# Altium PCB DM2080.PcbDoc (part 1 of 3) (continued)
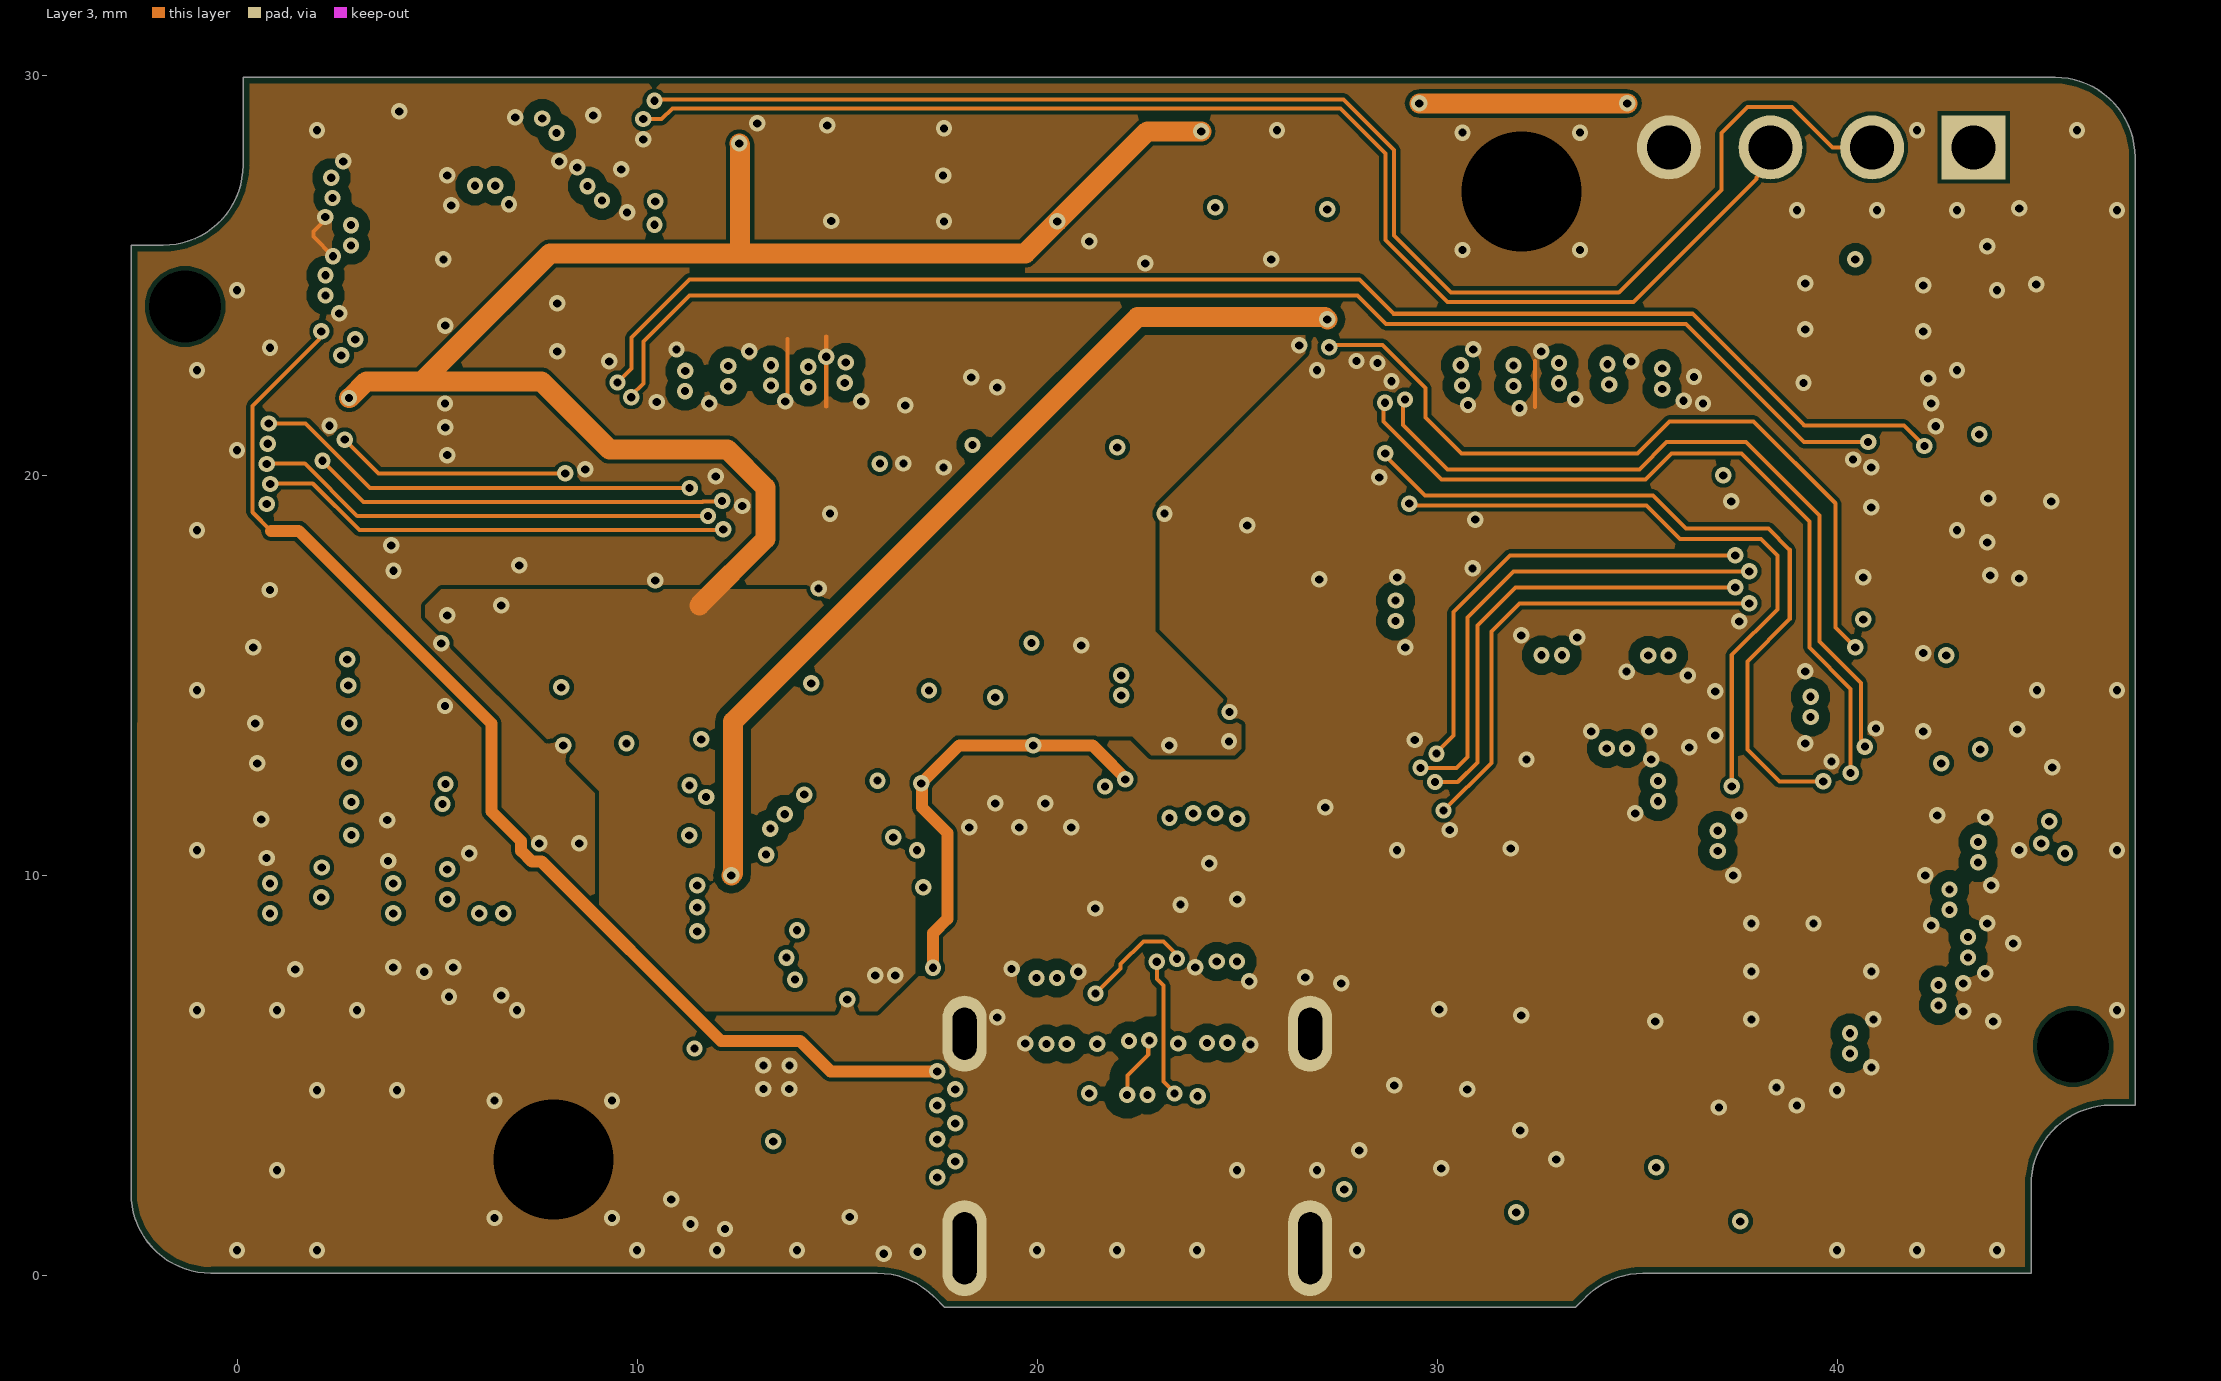
[diagram p4: Layer 3]
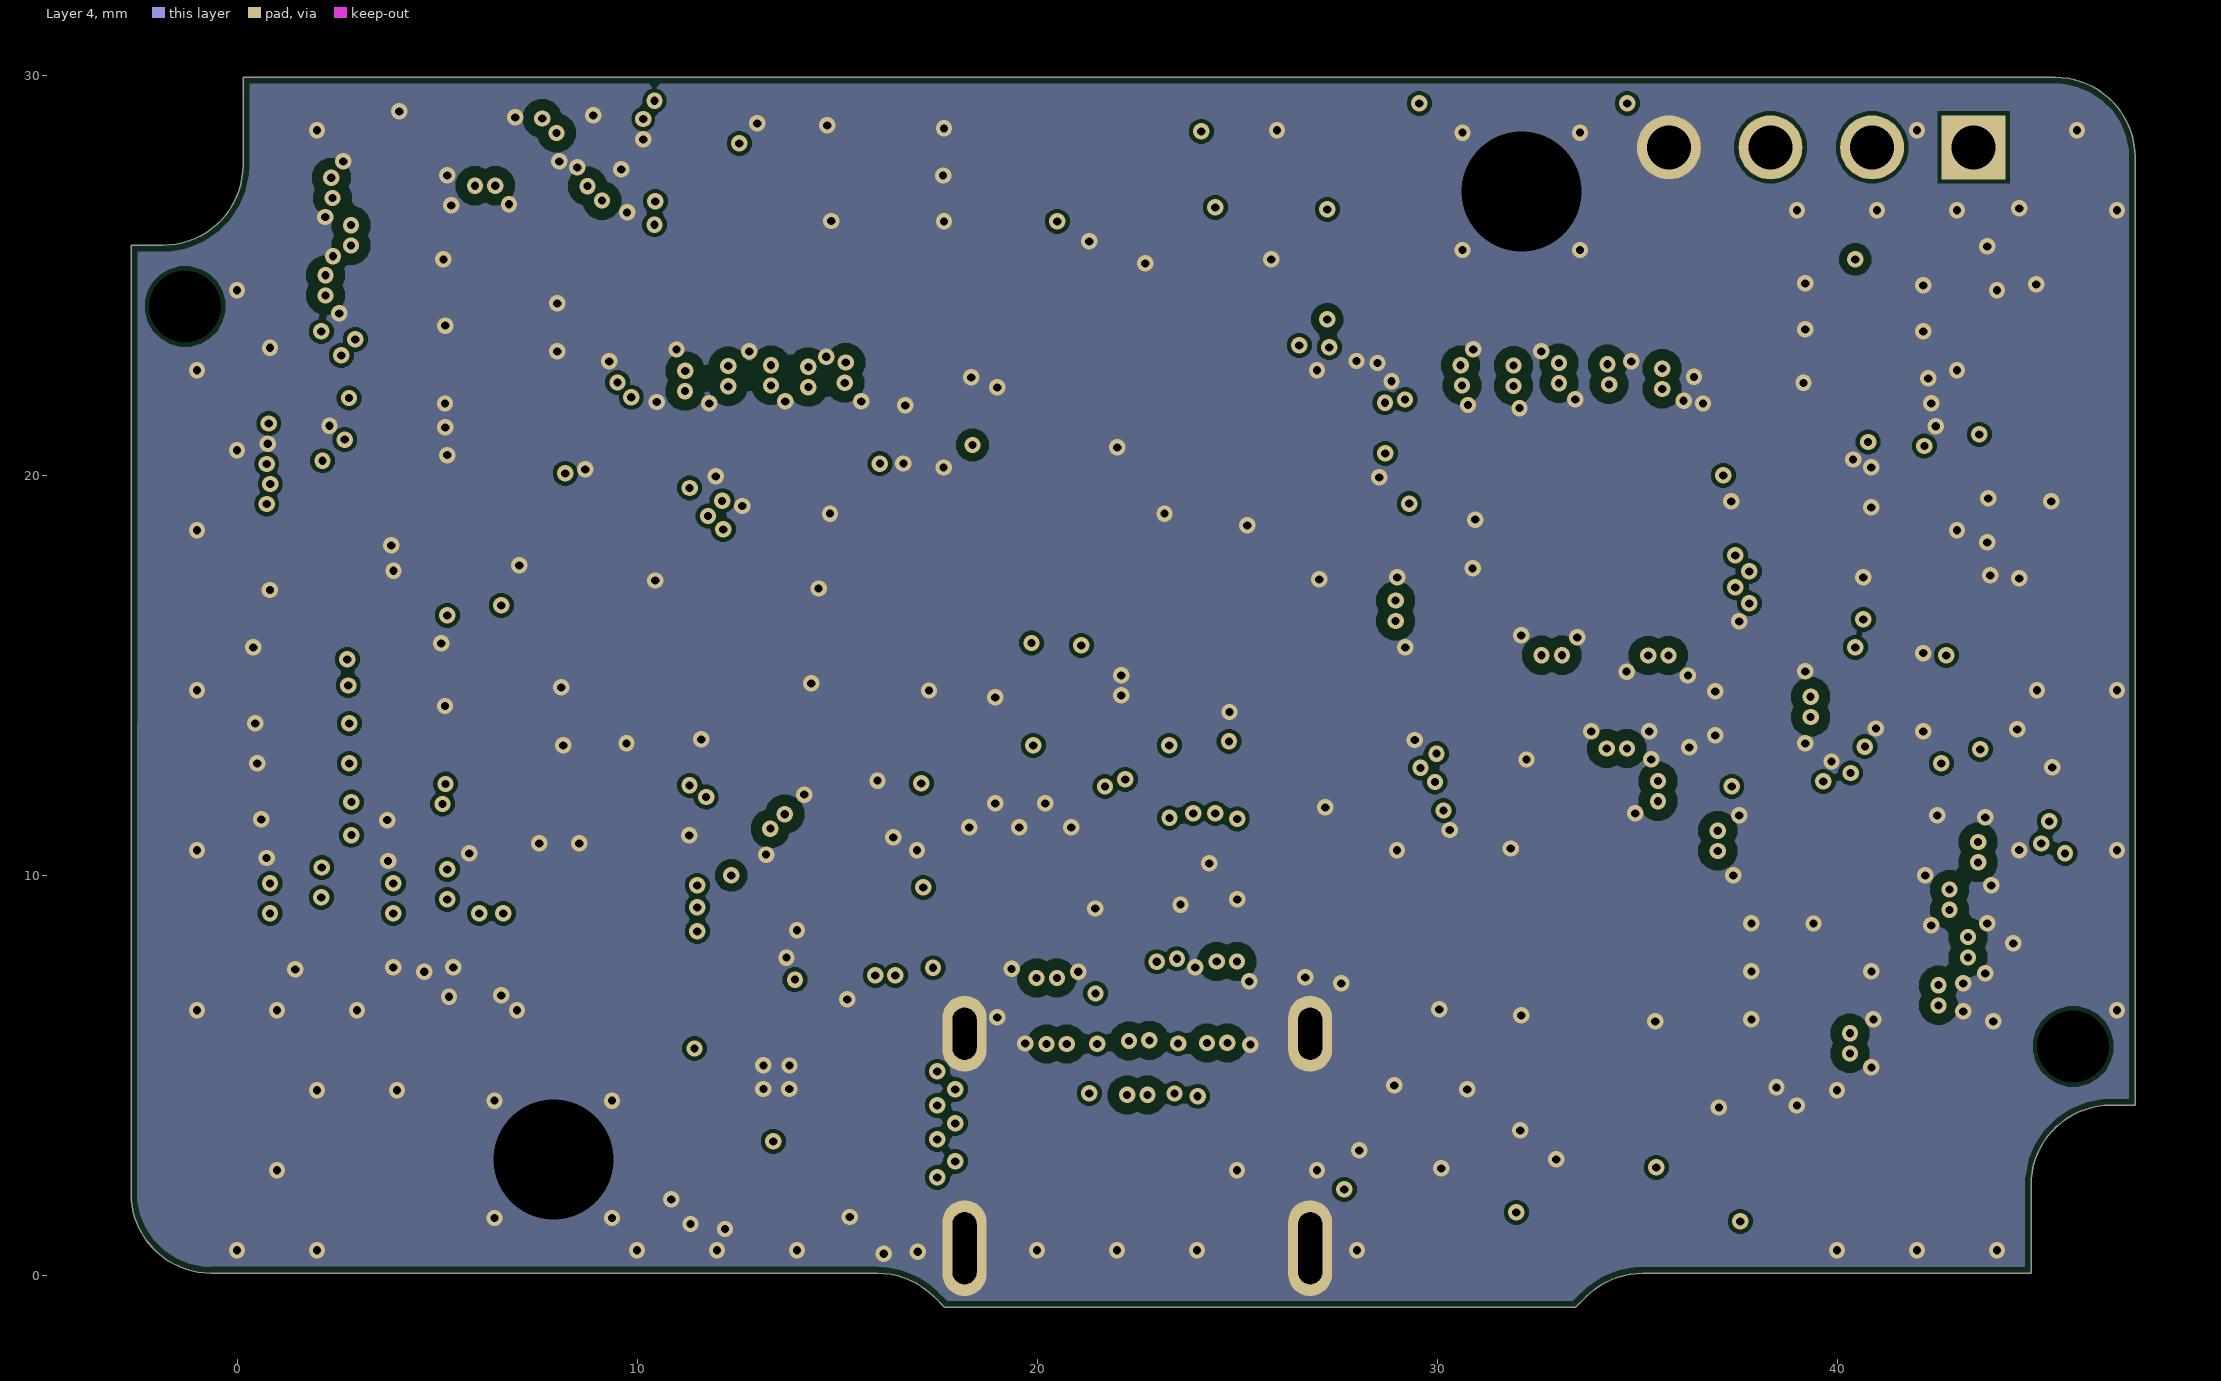
[diagram p5: Layer 4]

## Layer stack, top to bottom
Top Mask: solder mask 0.018, Solder Resist, Dk 4.2
Top Copper: signal copper 0.0356
Dielectric 3 (1080): prepreg 0.0711, PP-006, Dk 3.8
Layer 1: signal copper 0.035
Dielectric 1 (2116): prepreg 0.1168, PP-016, Dk 4.1
Layer 2: signal copper 0.035
Core: core 0.9906, q, Dk 4.6
Layer 3: signal copper 0.035
Dielectric 2 (2116): prepreg 0.1168, PP-016, Dk 4.1
Layer 4: signal copper 0.035
Dielectric 4 (1080): prepreg 0.0711, PP-006, Dk 3.8
Bottom Layer: signal copper 0.0356
Bottom Solder: solder mask 0.018, Solder Resist, Dk 4.2

## Board outline
-0.66,0.056 9.864,0.053 16,0.053 cw(c16,-1.947) 17.414,-0.532 17.678,-0.797 33.457,-0.797 33.727,-0.527 33.716,-0.537 cw(c35.131,-1.951) 35.131,0.049 44.837,0.054 44.842,0.054 44.842,2.253 cw(c46.842,2.253) 46.842,4.253 47.442,4.253 47.442,27.953 ccw(c45.443,27.953) 45.442,29.952 45.442,29.953 43.058,29.953 43.043,29.953 0.143,29.953 0.143,27.753 cw(c-1.857,27.753) -1.857,25.753 -2.658,25.753 -2.658,2.053 ccw(c-0.66,2.053)

## Design rules (kind name [scope] priority, off if disabled: settings)
AcuteAngle [All] p1: minimum=1.50000000000000E+0001 checktracksonly=TRUE
AssemblyTestPointUsage [All] p1: valid=2
BoardOutlineClearance [not InNet('GND')] p1: gap=0.254 ignorepadtopadclearanceinfootprint=FALSE except(0: Text-OutlineEdge Text-CavityEdge Text-CutoutEdge Text-SplitBarrior Text-SplitContinuation)
BoardOutlineClearance BoardOutlineClearance_GND [All] p2: gap=0.15 ignorepadtopadclearanceinfootprint=FALSE
Clearance Clearance_analog [All vs (InNet('2V8') or InNet('2V8_R') or InNet('2V8_L')) and not(InComponent('U3'))] p1: gap=0.2 ignorepadtopadclearanceinfootprint=FALSE except(0.102: Arc-Arc Arc-Track Arc-SMDPad Track-Track Track-SMDPad)
Clearance diff_pair_gnd [InPolygon vs InAnyDifferentialPair] p2: gap=0.381 ignorepadtopadclearanceinfootprint=FALSE
Clearance [All] p3: gap=0.102 ignorepadtopadclearanceinfootprint=FALSE
ComponentClearance "BGA Decoupling Clearance" [IsComponent AND OnBottomLayer AND WithinRoom('BGA Decoupling') vs IsComponent AND OnBottomLayer AND WithinRoom('BGA Decoupling')] p1: gap=0 collisioncheckmode=3 verticalgap=0 showdistances=FALSE
ComponentClearance [All] p2: gap=0 collisioncheckmode=3 verticalgap=0 showdistances=TRUE
ComponentOrientations [All] p1: allowedrotations=32
DiffPairsRouting USB [InDifferentialPairClass('USB3')] p1: maxlimit=0.254 minlimit=0.102 mostfreqgap=0.154 toplayer_maxgap=0.102 toplayer_prefgap=0.102 toplayer_minwidth=0.102 toplayer_maxwidth=0.102 toplayer_prefwidth=0.102 midlayer2_mingap=0.154 midlayer2_maxgap=0.154 midlayer2_minwidth=0.102 midlayer2_maxwidth=0.102 midlayer2_prefwidth=0.102 midlayer3_mingap=0.154 midlayer3_maxgap=0.154 midlayer3_minwidth=0.102 midlayer3_maxwidth=0.102 midlayer3_prefwidth=0.102 bottomlayer_maxgap=0.102 bottomlayer_prefgap=0.102 bottomlayer_minwidth=0.102 bottomlayer_maxwidth=0.102 bottomlayer_prefwidth=0.102 impedanceprofiledriven=TRUE impedanceprofileid={43CE6B11-730F-41E0-8546-E2F43F42704F} impedanceprofilevalue=90.000000 maxuncoupledlength=12.7
DiffPairsRouting MIPI_CAMS [InDifferentialPairClass('100ohm')] p2: maxlimit=0.305 minlimit=0.127 mostfreqgap=0.261 toplayer_maxgap=0.127 toplayer_prefgap=0.127 toplayer_minwidth=0.089 toplayer_maxwidth=0.089 toplayer_prefwidth=0.089 midlayer2_mingap=0.261 midlayer2_maxgap=0.261 midlayer2_minwidth=0.102 midlayer2_maxwidth=0.102 midlayer2_prefwidth=0.102 midlayer3_mingap=0.261 midlayer3_maxgap=0.261 midlayer3_minwidth=0.102 midlayer3_maxwidth=0.102 midlayer3_prefwidth=0.102 bottomlayer_maxgap=0.127 bottomlayer_prefgap=0.127 bottomlayer_minwidth=0.089 bottomlayer_maxwidth=0.089 bottomlayer_prefwidth=0.089 impedanceprofiledriven=TRUE impedanceprofileid={EA6434ED-C72B-4FE6-93A0-4E149288E850} impedanceprofilevalue=100.000000 maxuncoupledlength=12.7
FabricationTestPointUsage [All] p1: valid=2 allowmultiple=FALSE
HoleSize [All] p1: absolutevalues=TRUE maxlimit=25.4 minlimit=0.102 maxpercent=80.000 minpercent=20.000
HoleToHoleClearance [All] p1: gap=0.076 allowstackedmicrovias=TRUE
MatchedLengths "Schematic Matched Net Lengths_5" [InNetClass('MIPI_CAM_A')] p1: tolerance=0.127 checknetsindiffpair=FALSE checkdiffpairvsdiffpair=TRUE checkxsignals=TRUE checkothers=TRUE usedelayunits=TRUE delaytolerance=1.000000
MatchedLengths "Schematic Matched Net Lengths_4" [InNetClass('MIPI_CAM_B')] p2: tolerance=0.127 checknetsindiffpair=FALSE checkdiffpairvsdiffpair=TRUE checkxsignals=TRUE checkothers=TRUE usedelayunits=TRUE delaytolerance=1.000000
MatchedLengths "Schematic Matched Net Lengths_3" [InNetClass('MIPI_CAM_D')] p3: tolerance=0.127 checknetsindiffpair=FALSE checkdiffpairvsdiffpair=TRUE checkxsignals=TRUE checkothers=TRUE usedelayunits=TRUE delaytolerance=1.000000
MatchedLengths "Schematic Matched Net Lengths_2" [InNetClass('MIPI_CAM_C')] p4: tolerance=0.127 checknetsindiffpair=FALSE checkdiffpairvsdiffpair=TRUE checkxsignals=TRUE checkothers=TRUE usedelayunits=TRUE delaytolerance=1.000000
MatchedLengths "Schematic Matched Net Lengths_1" [InNetClass('MIPI_CAM_A')] p5: tolerance=25.4 checknetsindiffpair=TRUE checkdiffpairvsdiffpair=FALSE checkxsignals=FALSE checkothers=FALSE usedelayunits=TRUE delaytolerance=0.500000
MatchedLengths "Schematic Matched Net Lengths" [InNetClass('MIPI_CAM_D')] p6: tolerance=25.4 checknetsindiffpair=TRUE checkdiffpairvsdiffpair=FALSE checkxsignals=FALSE checkothers=FALSE usedelayunits=TRUE delaytolerance=0.500000
MatchedLengths XSIG_USB [InxSignalClass('USB')] p7: tolerance=25.4 checknetsindiffpair=TRUE checkdiffpairvsdiffpair=FALSE checkxsignals=FALSE checkothers=FALSE usedelayunits=TRUE delaytolerance=0.500000
MatchedLengths XSIG_BMI270 [InxSignalClass('BMI270')] p8: tolerance=25.4 checknetsindiffpair=FALSE checkdiffpairvsdiffpair=TRUE checkxsignals=TRUE checkothers=TRUE usedelayunits=TRUE delaytolerance=20.000000
MatchedLengths DifferentialPairs [InDifferentialPairClass('MIPI')] p9: tolerance=0.127 checknetsindiffpair=TRUE checkdiffpairvsdiffpair=FALSE checkxsignals=FALSE checkothers=FALSE usedelayunits=TRUE delaytolerance=0.500000
MinimumAnnularRing [All] p1: minimumring=0.076
MinimumSolderMaskSliver [All] p1: minsoldermaskwidth=0.01
NetAntennae [All] p1: netantennaetolerance=0.025
PlaneConnect [All] p1: pad.planeconnectstyle=Relief pad.reliefexpansion=0.508 pad.reliefentries=4 pad.reliefconductorwidth=0.254 pad.reliefairgap=0.254 via.planeconnectstyle=Direct via.reliefexpansion=0.508 via.reliefentries=4 via.reliefconductorwidth=0.254 via.reliefairgap=0.254
PolygonConnect Outer_Layer_PWR [InNetClass('Power_trace') or InNet('LX1')or InNet('LX2')or InNet('LX3')] p1: connectstyle=Direct reliefconductorwidth=0.254 reliefentries=4 polygonreliefangle="90 Angle" airgapwidth=0.254
PolygonConnect GenericPoly [All] p2: thpad.connectstyle=Direct thpad.reliefconductorwidth=0.254 thpad.reliefentries=4 thpad.polygonreliefangle="90 Angle" thpad.airgapwidth=0.254 smdpad.connectstyle=Relief smdpad.reliefconductorwidth=0.254 smdpad.reliefentries=4 smdpad.polygonreliefangle="90 Angle" smdpad.airgapwidth=0.154 via.connectstyle=Direct via.reliefconductorwidth=0.254 via.reliefentries=4 via.polygonreliefangle="90 Angle" via.airgapwidth=0.254
RoutingLayers [All] p1: top layer_v5=TRUE mid layer 1_v5=FALSE mid layer 2_v5=TRUE mid layer 3_v5=TRUE mid layer 4_v5=FALSE bottom layer_v5=TRUE
RoutingPriority [InNet('No Net')] p1: routingpriority=0
RoutingVias DrilledVias [All] p1: holewidth=0.203 width=0.406 viastyle="Through Hole" minholewidth=0.203 minwidth=0.406 maxholewidth=25.4 maxwidth=25.4 useviatemplates=TRUE viatemplateguid#1={4D1D92BE-4A56-4564-B1C0-0B0E53DF7A3A} viatemplatename#1=v41h20m0mx0
SMDToCorner [All] p1: distance=0
SMDToPlane [All] p1: distance=0
SilkToSilkClearance [All] p1: silktosilkclearance=-0.254
SilkToSolderMaskClearance [IsPad] p1: minsilkscreentomaskgap=-5 clearancetoexposedcopper=TRUE
SolderMaskExpansion [All] p1: expansion=0.051 istentingtop=FALSE
UnRoutedNet [All] p1: checkbadconnections=TRUE
ViasUnderSMD [All] p1: allowed=TRUE
Width Width_default [Not IsDifferentialPair] p1: maxlimit=1.27 minlimit=0.102 preferedwidth=0.102
16 further rules are at their usual default settings.

## Classes and differential pairs
differential pair class 90ohm: USB_D USB_RX USB_TX
component class U_DM2080_EEPROM: C61 R59 R60 R61 R62 R63 R64 R65 U8
differential pair class USB3: RXB RXC TXB TXB1 TXC TXC1 USB_D USB_RX USB_TX
differential pair class 100ohm: MIPI_RX2_C MIPI_RX2_D0 MIPI_RX2_D1 MIPI_RX3_C MIPI_RX3_D0 MIPI_RX3_D1 MIPI_RX4_C MIPI_RX4_D0 MIPI_RX4_D1 MIPI_RX5_D0 MIPI_RX5_D1 MIPI_RX6_C MIPI_RX6_D0 MIPI_RX6_D1 MIPI_RX7_D0 MIPI_RX7_D1
net class USB: RXB_N RXB_P RXC_N RXC_P TXB1_N TXB1_P TXB_N TXB_P TXC1_N TXC1_P TXC_N TXC_P USB_D_N USB_D_P USB_RX_N USB_RX_P USB_TX_N USB_TX_P
net class SPI0: BMI270_CS_1V8 BMI270_MISO_1V8 BMI270_MOSI_1V8 BMI270_SCK_1V8 SPI1_CS_0 SPI1_SCK SPI1_SIO3
net class Power_trace: 1V2 1V2_L 1V2_R 1V8 1V8_L 1V8_R 2V8 2V8_L 2V8_R 5V NetL1_1 VBUS VBUSIN
net class MIPI_CAM_D: MIPI_RX6_C_N MIPI_RX6_C_P MIPI_RX6_D0_N MIPI_RX6_D0_P MIPI_RX6_D1_N MIPI_RX6_D1_P MIPI_RX7_D0_N MIPI_RX7_D0_P MIPI_RX7_D1_N MIPI_RX7_D1_P
net class MIPI_CAM_C: MIPI_RX3_C_N MIPI_RX3_C_P MIPI_RX3_D0_N MIPI_RX3_D0_P MIPI_RX3_D1_N MIPI_RX3_D1_P
net class MIPI_CAM_B: MIPI_RX2_C_N MIPI_RX2_C_P MIPI_RX2_D0_N MIPI_RX2_D0_P MIPI_RX2_D1_N MIPI_RX2_D1_P
net class MIPI_CAM_A: MIPI_RX4_C_N MIPI_RX4_C_P MIPI_RX4_D0_N MIPI_RX4_D0_P MIPI_RX4_D1_N MIPI_RX4_D1_P MIPI_RX5_D0_N MIPI_RX5_D0_P MIPI_RX5_D1_N MIPI_RX5_D1_P
component class U_DM2080_USB: C29 C30 C31 C32 C33 C34 C35 C36 C37 C38 C39 C40 C41 C42 C46 C47 J6 Q4 R41 R42 R43 R44 R45 R46 R47 R48 R49 R50 R51 R52 TP18 TP19 U5 U6
component class U_DM2080_RIGHT_OV9782: C22 C23 C24 C25 C26 C27 C28 FB3 FB4 J5 R37 R38 R39 R40 TP13 TP15
component class U_DM2080_Power_Supply: C10 C11 C12 C13 C14 C15 C16 C17 C18 C19 C20 C21 L1 R29 R30 R31 R32 R33 R34 R35 R36 R66 TP4 TP5 TP6 TP7 TP8 TP9 TP10 TP11 TP12 TP14 U2 U3 U4
component class U_DM2080_LEFT_OV9782: C3 C4 C5 C6 C7 C8 C9 FB1 FB2 J4 R5 R6 R25 R26 R27 R28 TP1 TP2 TP3
component class U_DM2080_Connector_B: J2 J3 R8 R9 R10 R11 R12 R13 R14 R15 R16 R17 R18 R19 R20 R21 R22 SW3 TP16 TP17 TP20 TP21
component class U_DM2080_Connector_A: D1 J1 MH1 MH2 Q1 Q2 Q3 R1 R2 R3 R4 R7 R23 R24 R53 SW1 SW2
component class U_DM2080_BMI270: C1 C2 U1
component class TopLevel: FID1 FID2 FID3 FID4 FID5 FID6
differential pair USB_TX: +USB_TX_P -USB_TX_N
differential pair USB_RX: +USB_RX_P -USB_RX_N
differential pair USB_D: +USB_D_P -USB_D_N
differential pair TXC: +TXC_P -TXC_N
differential pair TXC1: +TXC1_P -TXC1_N
differential pair TXB: +TXB_P -TXB_N
differential pair TXB1: +TXB1_P -TXB1_N
differential pair RXC: +RXC_P -RXC_N
differential pair RXB: +RXB_P -RXB_N
differential pair MIPI_RX7_D1: +MIPI_RX7_D1_P -MIPI_RX7_D1_N
differential pair MIPI_RX7_D0: +MIPI_RX7_D0_P -MIPI_RX7_D0_N
differential pair MIPI_RX6_D1: +MIPI_RX6_D1_P -MIPI_RX6_D1_N
differential pair MIPI_RX6_D0: +MIPI_RX6_D0_P -MIPI_RX6_D0_N
differential pair MIPI_RX6_C: +MIPI_RX6_C_P -MIPI_RX6_C_N
differential pair MIPI_RX5_D1: +MIPI_RX5_D1_P -MIPI_RX5_D1_N
differential pair MIPI_RX5_D0: +MIPI_RX5_D0_P -MIPI_RX5_D0_N
differential pair MIPI_RX4_D1: +MIPI_RX4_D1_P -MIPI_RX4_D1_N
differential pair MIPI_RX4_D0: +MIPI_RX4_D0_P -MIPI_RX4_D0_N
differential pair MIPI_RX4_C: +MIPI_RX4_C_P -MIPI_RX4_C_N
differential pair MIPI_RX3_D1: +MIPI_RX3_D1_P -MIPI_RX3_D1_N
differential pair MIPI_RX3_D0: +MIPI_RX3_D0_P -MIPI_RX3_D0_N
differential pair MIPI_RX3_C: +MIPI_RX3_C_P -MIPI_RX3_C_N
differential pair MIPI_RX2_D1: +MIPI_RX2_D1_P -MIPI_RX2_D1_N
differential pair MIPI_RX2_D0: +MIPI_RX2_D0_P -MIPI_RX2_D0_N
differential pair MIPI_RX2_C: +MIPI_RX2_C_P -MIPI_RX2_C_N

## Components (designator, comment, footprint, x,y, rotation, side; value= is the part's Value field where it differs from the comment)
C1 "0.1uF 0402" CAPC0402(1005)70_L 20.53,13.69 r270 top
C2 "0.1uF 0402" CAPC0402(1005)70_L 20.53,15.35 r90 top
C3 "0.1uF 0402" CAPC0402(1005)70_L 36.45,19.35 r180 top
C4 "10uF 0603" CAPC0603(1608)100_L 37.1,21.3 r270 bottom
C5 "0.1uF 0402" CAPC0402(1005)70_L 28.09,19.35 r180 top
C6 "10uF 0603" CAPC0603(1608)100_L 25.75,19.65 r0 top
C7 "0.1uF 0402" CAPC0402(1005)70_L 39.3,20.65 r180 top
C8 "10uF 0603" CAPC0603(1608)100_L 40.85,21.65 r180 top
C9 "1nF 0603 C0G" CAPC0603(1608)100_L 39.05,22.25 r270 top
C10 "22uF 0603" CAPC0603(1608)100_L 4.7,7.7 r90 top
C11 "22uF 0603" CAPC0603(1608)100_L 5.9,7.7 r90 top
C12 "10uF 0603" CAPC0603(1608)100_L 6.35,10.4 r270 bottom
C13 "10nF 0402" CAPC0402(1005)60_L 7.75,12.75 r180 bottom
C14 "22uF 0603" CAPC0603(1608)100_L 10.65,10.3 r270 bottom
C15 "0.1uF 0402" CAPC0402(1005)70_L 9.6,10.65 r270 bottom
C16 "10uF 0402" CAPC0402(1005)70_L 14.95,5.5 r90 bottom
C17 "1uF 0402" CAPC0402(1005)70_L 11.85,5.55 r270 bottom
C18 "10uF 0402" CAPC0402(1005)70_L 13.1,7.4 r270 bottom
C19 "1uF 0402" CAPC0402(1005)70_L 14.35,6.8 r0 bottom
C20 "10uF 0402" CAPC0402(1005)70_L 16.45,6.2 r270 top
C21 "1uF 0402" CAPC0402(1005)70_L 14.15,6.2 r90 top
C22 "0.1uF 0402" CAPC0402(1005)70_L 16.45,19.3 r180 top
C23 "10uF 0603" CAPC0603(1608)100_L 16.45,21.65 r270 bottom
C24 "0.1uF 0402" CAPC0402(1005)70_L 8.1,19.3 r180 top
C25 "10uF 0603" CAPC0603(1608)100_L 6,21.6 r270 top
C26 "0.1uF 0402" CAPC0402(1005)70_L 18.1,19.3 r0 top
C27 "10uF 0603" CAPC0603(1608)100_L 17.6,21.65 r270 bottom
C28 "1nF 0603 C0G" CAPC0603(1608)100_L 19.05,20.9 r270 top
C29 "10uF 0402" CAPC0402(1005)70_L 17.01,1.54 r90 bottom
C30 "10uF 0402" CAPC0402(1005)70_L 16.16,1.54 r90 bottom
C31 "100uF 1206 6V3 tantal" RESTL1206(3216)_L 11.95,3.25 r270 top
C32 "0.1uF 0201" CAPC0201(0603)33_L 18.727,9.251 r90 bottom
C33 "0.1uF 0201" CAPC0201(0603)33_L 19.377,9.251 r90 bottom
C34 "0.1uF 0201" CAPC0201(0603)33_L 22.313,8.904 r135 bottom
C35 "0.1uF 0201" CAPC0201(0603)33_L 22.779,9.371 r135 bottom
C36 "10uF 0402" CAPC0402(1005)70_L 19.5,14.05 r270 bottom
C37 "0.1uF 0201" CAPC0201(0603)33_L 22.5,11.5 r90 bottom
C38 "0.1uF 0201" CAPC0201(0603)33_L 16.6,11.7 r90 bottom
C39 "1uF 0402" CAPC0402(1005)70_L 26.2,8.1 r180 top
C40 "GRM188R61A106ME69D" CAPC0603(1608)100_L 22.55,10.3 r270 top
C41 "1uF 0201" CAPC0201(0603)33_L 20.75,4.42 r270 bottom
C42 "0.1uF 0201" CAPC0201(0603)33_L 18.45,4.22 r270 bottom
C61 "0.1uF 0402" CAPC0402(1005)70_L 12.6,29.35 r180 bottom
D1 "EASV3015RGBA0" EASV3015RGBA0 38.25,1.79 r180 top
FB1 "600R/100MHz" 2508056017Y2 25.55,22 r270 top
FB2 "600R/100MHz" 2508056017Y2 39.25,18.35 r90 top
FB3 "600R/100MHz" 2508056017Y2 5.7,18.6 r90 top
FB4 "600R/100MHz" 2508056017Y2 19.85,17.75 r180 top
FID1 "FIDUCIAL_ROUND_1MM" FIDUCIAL_ROUND_1MM 42.9,2.4 r180 top
FID2 "FIDUCIAL_ROUND_1MM" FIDUCIAL_ROUND_1MM 44.425,15.875 r180 top
FID3 "FIDUCIAL_ROUND_1MM" FIDUCIAL_ROUND_1MM 13.623,18.19 r180 top
FID4 "FIDUCIAL_ROUND_1MM" FIDUCIAL_ROUND_1MM 44.375,23.2 r0 bottom
FID5 "FIDUCIAL_ROUND_1MM" FIDUCIAL_ROUND_1MM 42.5,2.9 r0 bottom
FID6 "FIDUCIAL_ROUND_1MM" FIDUCIAL_ROUND_1MM 3.6,1.6 r0 bottom
J1 "DF40HC(3.0)-100DS-0.4V_SoM-KB_A" CON_A_SoM-Pro-KB_DF40HC-3.0-100DS-0.4V_minpad 22.5,15 r180 bottom locked
J2 "DF40HC(3.0)-100DS-0.4V_SoM-PRO_B" CON_B_BW2099_SoM_DF40HC-3.0-100DS-0.4V_minpad 22.5,15 r180 bottom locked
J3 "HDR_1x4 Vert 0.100\"" 61300411121 39.6,28.2 r180 top
J4 "AC_PY003-OV9282_CON" AC-PY003-OV9282 32.5,12.6 r180 top locked
J5 "AC_PY003-OV9282_CON" AC-PY003-OV9282 12.5,12.6 r180 top locked
J6 "USB3.1 TYPEC 24P SMD RA" 105450-0101 22.5,5.8 r0 top locked
L1 "1uH, 3.2A, 20%" DFE252012P-1R0M=P2 8.45,8.05 r0 bottom